# Altium PCB LAY-94611_B.PcbDoc (part 14 of 16)
Units mil, origin at the board's own origin, x right, y up, seen from the top; angles counter-clockwise.
Board outline 4133.86 x 2559.05 mil, 10 copper layers (TOP, GND02, ART03, PWR04, PWR05, ART06, GND7, ART08, GND09, BOTTOM), stack 57.82 mil thick; 1104 components, 727 nets, 3774 pads, 1630 vias.
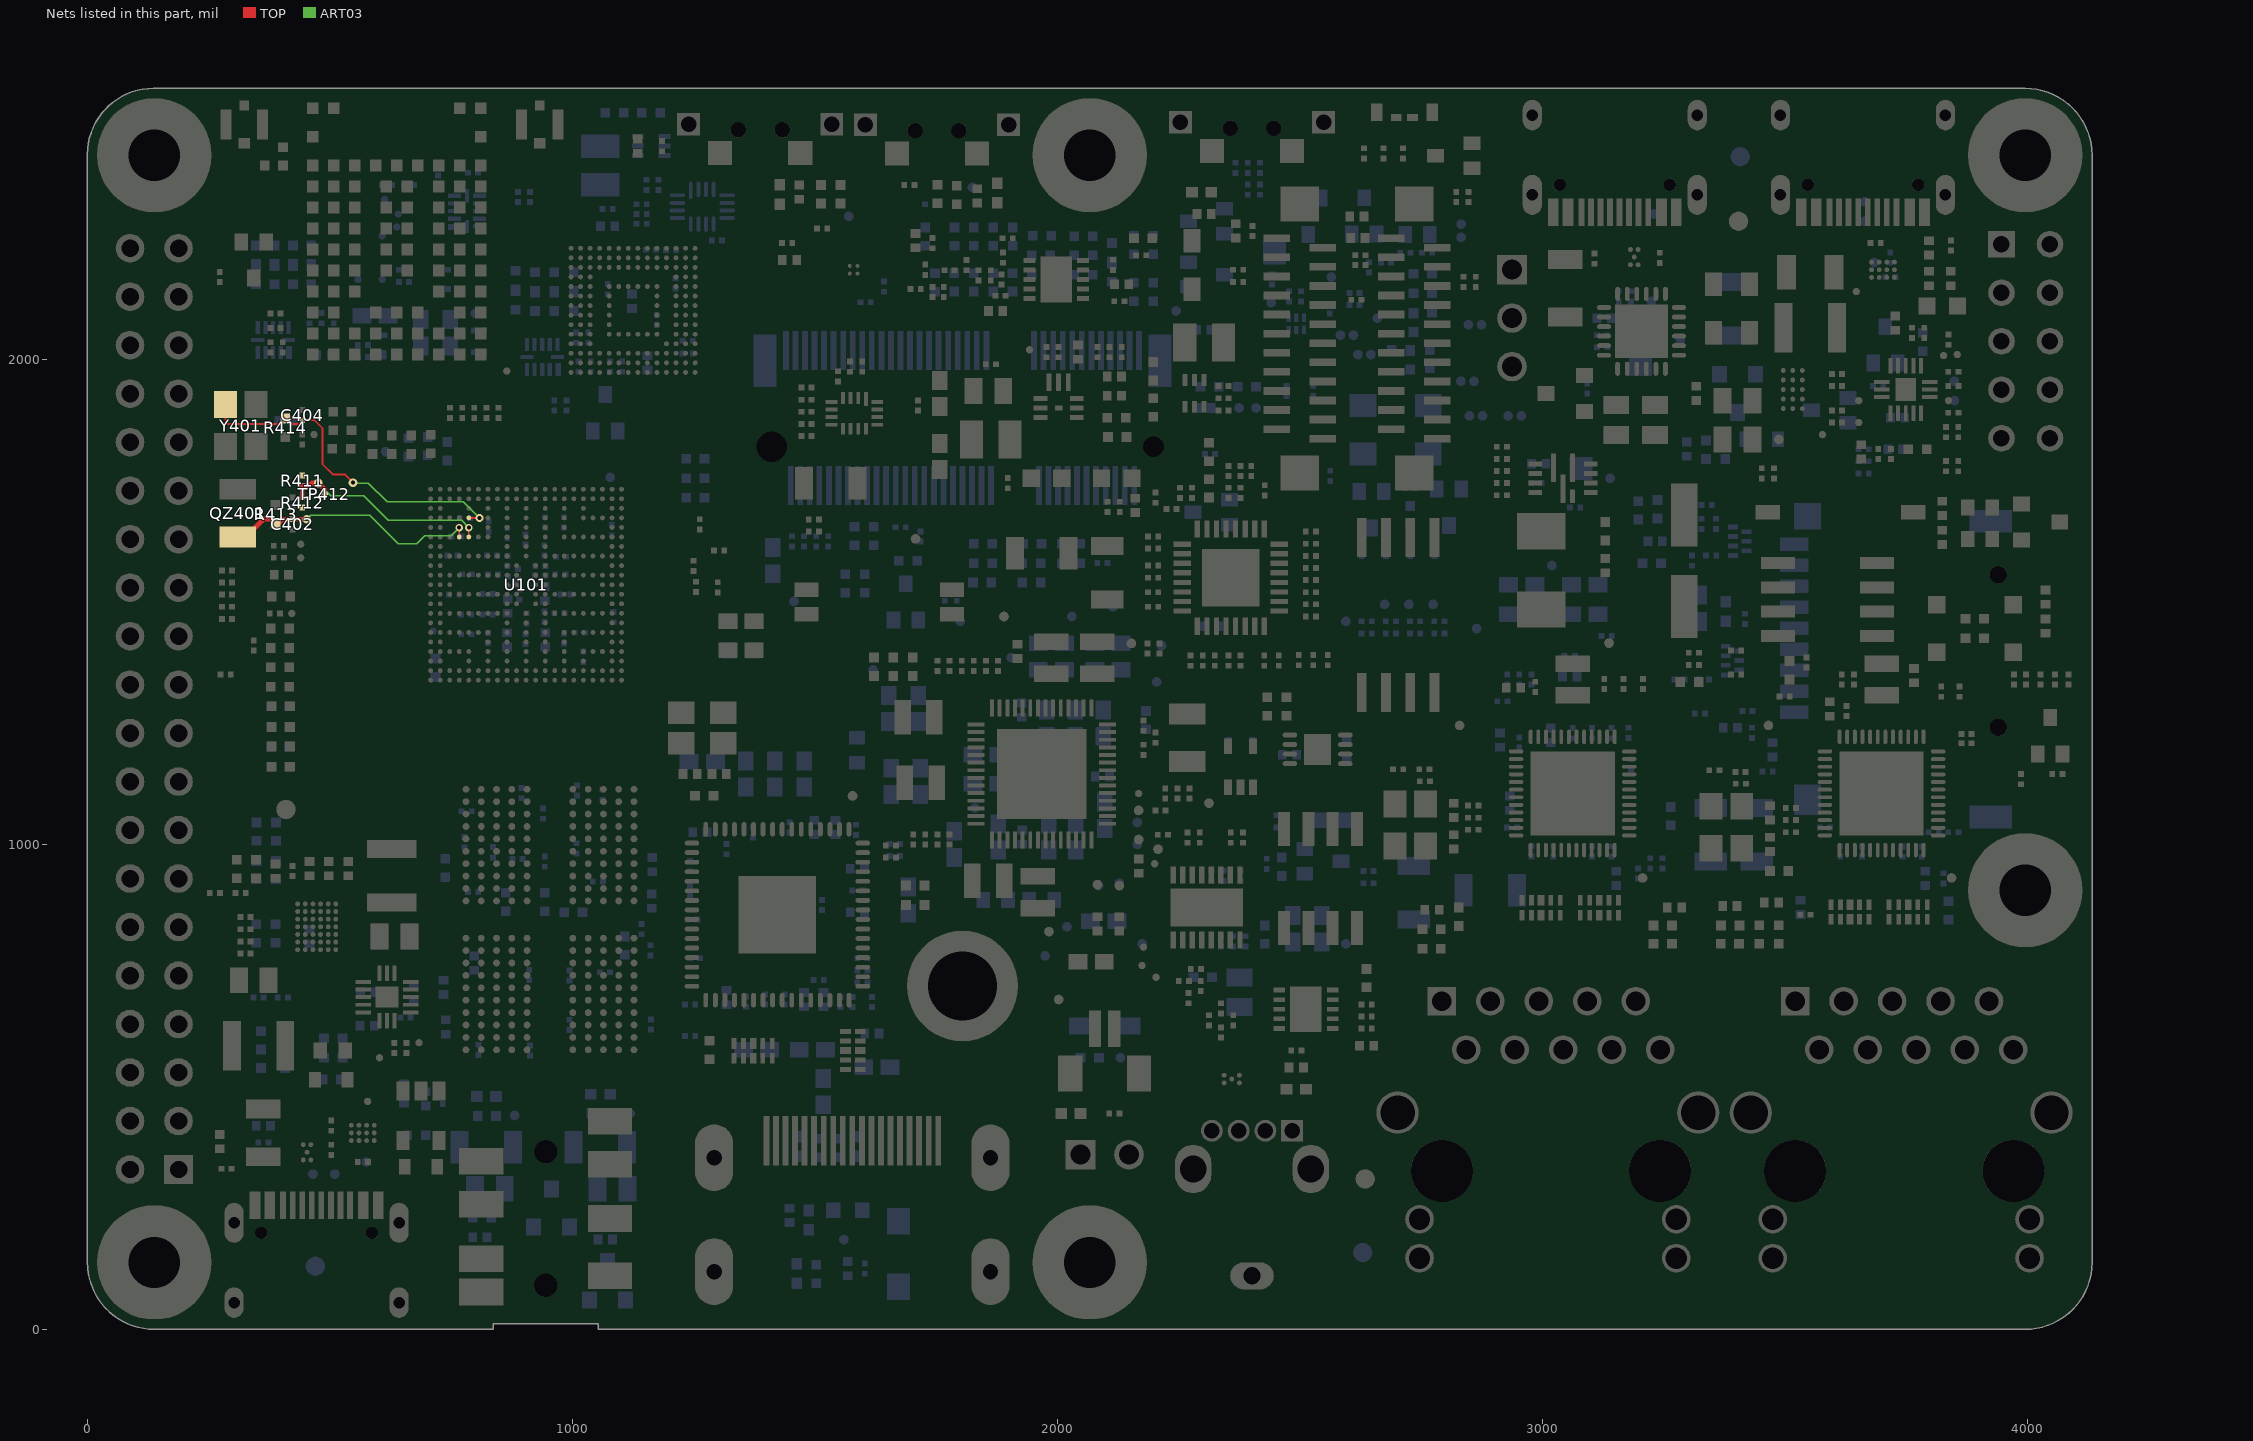
[diagram p22: the nets of this part, all layers, seen from the top]

## Via types
v1: diameter 16/16/0/0/0/0/16/0/16/16 (per signal layer), hole 8, TOP to BOTTOM, tented both sides, 177 vias
v2: diameter 22/22/0/0/0/0/22/0/22/22 (per signal layer), hole 10, TOP to BOTTOM, tented both sides, 156 vias
v3: diameter 16/0/16/0/0/0/0/0/0/16 (per signal layer), hole 8, TOP to BOTTOM, tented both sides, 137 vias
v4: diameter 16/0/0/0/0/16/0/0/0/16 (per signal layer), hole 8, TOP to BOTTOM, tented both sides, 94 vias
v5: diameter 16, hole 8, TOP to BOTTOM, tented both sides, 88 vias
v6: diameter 18/0/0/0/0/0/0/18/0/18 (per signal layer), hole 8, TOP to BOTTOM, tented both sides, 84 vias
v7: diameter 22, hole 10, TOP to BOTTOM, tented both sides, 83 vias
v8: diameter 18, hole 8.1, TOP to BOTTOM, tented both sides, 78 vias
v9: diameter 16/0/0/0/0/0/0/16/0/16 (per signal layer), hole 8, TOP to BOTTOM, tented both sides, 77 vias
v10: diameter 18/18/0/0/0/0/18/0/18/18 (per signal layer), hole 8, TOP to BOTTOM, tented both sides, 62 vias
v11: diameter 18/0/18/0/0/0/0/0/0/18 (per signal layer), hole 8, TOP to BOTTOM, tented both sides, 50 vias
v12: diameter 16/0/0/16/0/0/0/0/0/16 (per signal layer), hole 8, TOP to BOTTOM, tented both sides, 49 vias
v13: diameter 22/0/0/0/22/0/0/0/0/22 (per signal layer), hole 10, TOP to BOTTOM, tented both sides, 49 vias
v14: diameter 22/0/22/0/0/0/0/0/0/22 (per signal layer), hole 10, TOP to BOTTOM, tented both sides, 48 vias
v15: diameter 18, hole 8, TOP to BOTTOM, tented both sides, 47 vias
v16: diameter 16/0/0/0/16/0/0/0/0/16 (per signal layer), hole 8, TOP to BOTTOM, tented both sides, 40 vias
v17: diameter 22/0/0/22/0/0/0/0/0/22 (per signal layer), hole 10, TOP to BOTTOM, tented both sides, 40 vias
v18: diameter 22/0/0/0/0/0/0/22/0/22 (per signal layer), hole 10, TOP to BOTTOM, tented both sides, 31 vias
v19: diameter 22/0/0/0/0/22/0/0/0/22 (per signal layer), hole 10, TOP to BOTTOM, tented both sides, 30 vias
v20: diameter 18/0/0/0/0/18/0/0/0/18 (per signal layer), hole 8, TOP to BOTTOM, tented both sides, 27 vias
v21: diameter 16/16/16/0/0/0/0/0/0/16 (per signal layer), hole 8, TOP to BOTTOM, tented both sides, 24 vias
v22: diameter 16/0/16/0/0/16/0/0/0/16 (per signal layer), hole 8, TOP to BOTTOM, tented both sides, 14 vias
v23: diameter 22/22/0/22/0/0/22/0/22/22 (per signal layer), hole 10, TOP to BOTTOM, tented both sides, 14 vias
v24: diameter 16/16/16/0/0/0/16/0/16/16 (per signal layer), hole 8, TOP to BOTTOM, tented both sides, 11 vias
v25: diameter 18/0/0/0/0/18/0/18/0/18 (per signal layer), hole 8, TOP to BOTTOM, tented both sides, 11 vias
v26: diameter 18/0/0/18/0/0/0/0/0/18 (per signal layer), hole 8, TOP to BOTTOM, tented both sides, 11 vias
v27: diameter 18/0/0/0/18/0/0/0/0/18 (per signal layer), hole 8, TOP to BOTTOM, tented both sides, 10 vias
v28: diameter 16/0/16/0/0/0/0/16/0/16 (per signal layer), hole 8, TOP to BOTTOM, tented both sides, 8 vias
v29: diameter 16/16/0/16/0/0/16/0/16/16 (per signal layer), hole 8, TOP to BOTTOM, tented both sides, 8 vias
v30: diameter 18/18/0/18/0/0/18/0/18/18 (per signal layer), hole 8, TOP to BOTTOM, tented both sides, 6 vias
v31: diameter 22/0/0/0/22/22/0/0/0/22 (per signal layer), hole 10, TOP to BOTTOM, tented both sides, 6 vias
v32: diameter 16/0/16/16/0/0/0/0/0/16 (per signal layer), hole 8, TOP to BOTTOM, tented both sides, 5 vias
v33: diameter 18/18/0/18/18/0/18/0/18/18 (per signal layer), hole 8, TOP to BOTTOM, tented both sides, 5 vias
v34: diameter 16/0/0/0/0/16/0/16/0/16 (per signal layer), hole 8, TOP to BOTTOM, tented both sides, 4 vias
v35: diameter 22/0/22/22/0/0/0/0/0/22 (per signal layer), hole 10, TOP to BOTTOM, tented both sides, 4 vias
v36: diameter 16/0/16/16/0/16/0/0/0/16 (per signal layer), hole 8, TOP to BOTTOM, tented both sides, 3 vias
v37: diameter 22/22/0/0/22/0/22/0/22/22 (per signal layer), hole 10, TOP to BOTTOM, tented both sides, 3 vias
v38: diameter 22/0/0/22/22/22/0/0/0/22 (per signal layer), hole 10, TOP to BOTTOM, tented both sides, 3 vias
v39: diameter 22/0/22/0/0/22/0/0/0/22 (per signal layer), hole 10, TOP to BOTTOM, tented both sides, 3 vias
v40: diameter 22/0/22/0/0/0/0/22/0/22 (per signal layer), hole 10, TOP to BOTTOM, tented both sides, 3 vias
v41: diameter 16/0/16/0/16/0/0/0/0/16 (per signal layer), hole 8, TOP to BOTTOM, tented both sides, 3 vias
v42: diameter 22/22/0/22/22/0/22/0/22/22 (per signal layer), hole 10, TOP to BOTTOM, tented both sides, 2 vias
v43: diameter 18/0/18/0/0/0/0/18/0/18 (per signal layer), hole 8, TOP to BOTTOM, tented both sides, 2 vias
v44: diameter 22/0/0/22/0/22/0/0/0/22 (per signal layer), hole 10, TOP to BOTTOM, tented both sides, 2 vias
v45: diameter 22/0/0/0/0/22/0/22/0/22 (per signal layer), hole 10, TOP to BOTTOM, tented both sides, 2 vias
v46: diameter 22/0/22/0/22/0/0/0/0/22 (per signal layer), hole 10, TOP to BOTTOM, tented both sides, 2 vias
v47: diameter 22/0/0/22/22/0/0/0/0/22 (per signal layer), hole 10, TOP to BOTTOM, tented both sides, 2 vias
v48: diameter 16/0/0/16/0/16/0/0/0/16 (per signal layer), hole 8, TOP to BOTTOM, tented both sides, 1 vias
v49: diameter 18/0/18/0/0/18/0/0/0/18 (per signal layer), hole 8, TOP to BOTTOM, tented both sides, 1 vias
v50: diameter 18/18/0/0/18/0/18/0/18/18 (per signal layer), hole 8, TOP to BOTTOM, tented both sides, 1 vias
v51: diameter 16/16/0/16/16/0/16/0/16/16 (per signal layer), hole 8, TOP to BOTTOM, tented both sides, 1 vias
v52: diameter 18/0/18/0/18/0/0/0/0/18 (per signal layer), hole 8, TOP to BOTTOM, tented both sides, 1 vias
v53: diameter 18/0/0/0/18/18/0/0/0/18 (per signal layer), hole 8, TOP to BOTTOM, tented both sides, 1 vias
v54: diameter 22/0/22/0/22/22/0/22/0/22 (per signal layer), hole 10, TOP to BOTTOM, tented both sides, 1 vias
v55: diameter 22/0/0/0/22/22/0/22/0/22 (per signal layer), hole 10, TOP to BOTTOM, tented both sides, 1 vias
v56: diameter 16/16/16/0/0/0/16/0/0/16 (per signal layer), hole 8, TOP to BOTTOM, tented both sides, 1 vias
v57: diameter 22/0/0/22/0/0/0/22/0/22 (per signal layer), hole 10, TOP to BOTTOM, tented both sides, 1 vias
v58: diameter 16/0/0/0/16/16/0/0/0/16 (per signal layer), hole 8, TOP to BOTTOM, tented both sides, 1 vias
v59: diameter 16/0/0/16/16/0/0/0/0/16 (per signal layer), hole 8, TOP to BOTTOM, tented both sides, 1 vias

## Nets (pads, with @x,y where several pads share a name; then routed paths per layer and width w, separated by ;. In a path a pad name is that pad's centre, name@x,y a point inside that pad or via, vN(x,y) a via of type N, cw(c..) or ccw(c..) an arc to the next point about the centre after c; other vN are vias at no path point) (continued)
XTALI_32K: R411.2 R412.1 TP412.1 U101.E16 | length 455.6
  TOP w3.62: U101.E16@786.49,1633.92 v3(786.49,1653.16)
  TOP w10: 442.8,1715.51 442.8,1739.49 457.28,1739.49 462.79,1745 v11(475.8,1745) 488.8,1732 TP412.1@488.8,1722
  ART03 w3.09: v11(475.8,1745) 502.2,1718.6 570.2,1718.6 620.8,1668 771.65,1668 v3(786.49,1653.16)
XTALO_24M: C404.1 R414.2 U101.E18 Y401.3 | length 722.3
  TOP w3.62: Y401.3@284.51,1906.97 284.51,1871.01 288.52,1867 396.56,1867 R414.2@407.76,1878.2 418.96,1867 435.31,1867 C404.1@442.8,1874.49 468.31,1874.49 484.8,1858 484.8,1784 505.8,1763 530.8,1763 v11(547.8,1746) ; U101.E18@786.49,1673.29 v3(808.31,1673.29)
  ART03 w3.09: v11(547.8,1746) 548.8,1745 579.4,1745 617.9,1706.5 775.1,1706.5 v3(808.31,1673.29)
XTALO_32K: C402.1 QZ401.1 R413.2 U101.D16 | length 541.1
  TOP w3.62: v3(766.49,1653.16) 766.8,1652.85 U101.D16@766.8,1633.92
  TOP w10: QZ401.1@309.56,1633.87 326.67,1633.87 364.14,1671.34 378.3,1671.34 R413.2@387.84,1661.8 394.61,1661.8 403.32,1670.51 C402.1@422.8,1670.51 v11(452.31,1670.51)
  ART03 w3.09: v11(452.31,1670.51) 460.8,1679 581.8,1679 640.8,1620 678.8,1620 695.53,1636.73 750.06,1636.73 v3(766.49,1653.16)
pads on no net: D616.3 D616.4 D616.6 D617.3 D617.6 K1. K2. K3. P1.A6 P1.A7 P1.A8 P1.B6 P1.B7 P1.B8 P1.H1 P1.H2 P2.A8 P2.B8 P2.H1 P2.H2 P3.2 P3.M1 P3.M2 P4.2 P4.M1 P4.M2 P5.13 P5.14 P6.11 P6.12 P6.14 P6.15 P8. P8.35 P8.37 P8.41 P8.43 P8.44 P8.46 P8.47 P8.48 P8.49 P8.53 P8.59 P8.61 P8.65 P8.66 P8.67 P8.68 P8.70 P8.71 P8.73 P13. P15. P15.4 P15.6 P15.7 P15.8 P16.A8 P16.B8 P16.H1 P16.H2 P17. P18. U101.A12 U101.A13 U101.B12 U101.B13 U201.A1 U201.A2 U201.A11 U201.A12 U201.AA1 U201.AA2 U201.AA4 U201.AA9 U201.AA11 U201.AA12 U201.AB1 U201.AB2 U201.AB11 U201.AB12 U201.B1 U201.B12 U201.K5 U201.K8 U201.N5 U201.N8 U201.P2 U201.P4 U201.P5 U201.P8 U201.P9 U201.P11 U201.R2 U201.R3 U201.R4 U201.R9 U201.R10 U201.R11 U201.T2 U201.U2 U201.U4 U201.U9 U201.U11 U201.V2 U201.V3 U201.V4 U201.V9 U201.V10 U201.V11 U201.W3 U201.W10 U201.Y2 U201.Y3 U201.Y4 U201.Y9 U201.Y10 U201.Y11 U501.A1 U501.A2 U501.A7 U501.A8 U501.A9 U501.A10 U501.A11 U501.A12 U501.A13 U501.A14 U501.B1 U501.B7 U501.B8 U501.B9 U501.B10 U501.B11 U501.B12 U501.B13 U501.B14 U501.C1 U501.C3 U501.C5 U501.C7 U501.C8 U501.C9 U501.C10 U501.C11 U501.C12 U501.C13 U501.C14 U501.D1 U501.D2 U501.D3 U501.D4 U501.D12 U501.D13 U501.D14 U501.E1 U501.E2 U501.E3 U501.E5 U501.E8 U501.E9 U501.E10 U501.E12 U501.E13 U501.E14 U501.F1 U501.F2 U501.F3 U501.F10 U501.F12 U501.F13 U501.F14 U501.G1 U501.G2 U501.G3 U501.G10 U501.G12 U501.G13 U501.G14 U501.H1 U501.H2 U501.H3 U501.H12 U501.H13 U501.H14 U501.J1 U501.J2 U501.J3 U501.J12 U501.J13 U501.J14 U501.K1 U501.K2 U501.K3 U501.K5 U501.K6 U501.K7 U501.K10 U501.K12 U501.K13 U501.K14 U501.L1 U501.L2 U501.L3 U501.L12 U501.L13 U501.L14 U501.M1 U501.M2 U501.M3 U501.M7 U501.M8 U501.M9 U501.M10 U501.M11 U501.M12 U501.M13 U501.M14 U501.N1 U501.N3 U501.N6 U501.N7 U501.N8 U501.N9 U501.N10 U501.N11 U501.N12 U501.N13 U501.N14 U501.P1 U501.P2 U501.P7 U501.P8 U501.P9 U501.P10 U501.P11 U501.P12 U501.P13 U501.P14 U702.4 U706.D1 U706.D2 U709.D1 U709.D2 U713. U713.33 U713.38 U713.39 U713.40 U713.41 U713.42 U713.43 U713.44 U716. U716.33 U716.38 U716.39 U716.40 U716.41 U716.42 U716.43 U716.44 U719.6 U719.7 U719.8 U719.9 U719.12 U719.13 U719.30 U719.31 U719.37 U719.38 U719.39 U719.40 U719.42 U719.43 U719.45 U719.46 U719.47 U719.48 U731.B6 U731.B9 U731.C1 U731.C4 U731.C5 U731.C6 U731.C9 U731.D1 U731.D9 U731.E1 U731.F1 U731.F3 U731.G1 U731.G3 U731.G4 U731.H1 U731.H2 U731.H3 U731.J1 U731.J2 U731.K5 U734.1 U734.9 U734.10 U734.11 U734.14 U734.15 U734.16 U734.17 U734.18 U734.19 U734.22 U734.23 U734.24 U743.1 U745.4 U745.8 U748.8 U748.9 U748.10 U748.11

## Polygon pours and split planes (outlines as drawn)
VDD_3V3 on ART03 "VDD_3V3_L03_P236" (solid, remove dead copper, pour order 236): 63 vertices, not listed, extent 727.8,95 2357.8,873
VLDO_3V3 on ART03 "VLDO_3V3_L03_P232" (solid, remove dead copper, pour order 232): 20 vertices, not listed, extent 2392.8,505 3357.8,950
GND on ART03 "GND_L03_P242" (solid, remove dead copper, pour order 242): 37 vertices, not listed, extent 229.8,2335 1005.21,2534.04
VDD_3V3 on ART03 "VDD_3V3_L03_P241" (solid, remove dead copper, pour order 241): 19 vertices, not listed, extent 1072.8,2068.56 1509.8,2222.44
DSI&CAM_3V3 on ART03 "DSI&CAM_3V3_L03_P240" (solid, remove dead copper, pour order 240): 22 vertices, not listed, extent 2233.8,2076 2693.8,2318
LPD4/X_VDDQ on ART03 "LPD4/X_VDDQ_L03_P239" (solid, remove dead copper, pour order 239): 21 vertices, not listed, extent 917.4,965 1130,1107
VDD_ANA_0V8 on ART03 "VDD_ANA_0V8_L03_P238" (solid, remove dead copper, pour order 238): 91 vertices, not listed, extent 798.36,905.56 2161,1643
IVDD_1V8 on ART03 "IVDD_1V8_L03_P237" (solid, remove dead copper, pour order 237): 27 vertices, not listed, extent 1225.8,617 1649.9,976
ENET1_DVDDL on ART03 "ENET1_DVDDL_L03_P235" (solid, remove dead copper, pour order 235): 2937.8,1200 2943.8,1206 3217.8,1206 3230.8,1193 3230.8,1166 3224.8,1160 3208.8,1160 3150.8,1102 2875.8,1102 2862.8,1115 2862.8,1135 2872.8,1145 2922.8,1145 2937.8,1160
VDD_3V3 on ART03 "VDD_3V3_L03_P234" (solid, remove dead copper, pour order 234): 33 vertices, not listed, extent 2832.8,1050 3427.9,1291
ENET1_AVDDL on ART03 "ENET1_AVDDL_L03_P233" (solid, remove dead copper, pour order 233): 17 vertices, not listed, extent 2812.8,919.5 3122.8,1027.44
VDD_5V on PWR04 "VDD_5V_L04_P248" (solid, remove dead copper, pour order 248): 37 vertices, not listed, extent 2442.8,52 4077.8,2300
GND on PWR04 "GND_L04_P247" (solid, remove dead copper, pour order 247): 56 vertices, not listed, extent 1992.8,1850 4082.8,2534.04
VEXP_5V on PWR04 "VEXP_5V_L04_P246" (solid, remove dead copper, pour order 246): 33 vertices, not listed, extent 56.3,283 1965.8,2372
LPD4/X_VDDQ on PWR04 "LPD4/X_VDDQ_L04_P245" (solid, remove dead copper, pour order 245): 45 vertices, not listed, extent 557.8,480 1987.8,1465
VSYS_5V on PWR04 "VSYS_5V_L04_P244" (solid, remove dead copper, pour order 244): 41 vertices, not listed, extent 324.3,125 3207,1461
LPD4/X_VDD1 on PWR04 "LPD4/X_VDD1_L04_P243" (solid, remove dead copper, pour order 243): 81 vertices, not listed, extent 462.8,685 3428,2252
GND on PWR04 "GND_L04_P255" (solid, remove dead copper, pour order 255): 351.8,843 493.8,843 541.8,891 541.8,1217 577.8,1253 577.8,1382 569.8,1390 344.8,1390 333.8,1379 333.8,861
VBUS1_DET_3V3 on PWR04 "VBUS1_DET_3V3_L04_P254" (solid, remove dead copper, pour order 254): 19 vertices, not listed, extent 315.8,1406 813.8,1583
NVCC_BBSM_1V8 on PWR04 "NVCC_BBSM_1V8_L04_P253" (solid, remove dead copper, pour order 253): 23 vertices, not listed, extent 339.8,1493.02 835.8,1605
VBUS2_DET_3V3 on PWR04 "VBUS2_DET_3V3_L04_P252" (solid, remove dead copper, pour order 252): 23 vertices, not listed, extent 313.8,1530 792.8,1673
LPD4/X_VDD2 on PWR04 "LPD4/X_VDD2_L04_P251" (solid, remove dead copper, pour order 251): 21 vertices, not listed, extent 877.8,1117 1202.8,1470
VDD_ANA_1V8 on PWR04 "VDD_ANA_1V8_L04_P250" (solid, remove dead copper, pour order 250): 37 vertices, not listed, extent 725.8,1295 1287.78,1742.5
VLDO_3V3 on PWR04 "VLDO_3V3_L04_P249" (solid, remove dead copper, pour order 249): 19 vertices, not listed, extent 3252.8,800 3682.8,2050
LPD4/X_VDD2 on PWR05 "LPD4/X_VDD2_L05_P262" (solid, remove dead copper, pour order 262): 17 vertices, not listed, extent 727.8,545 2057,1230
VBUS_IN on PWR05 "VBUS_IN_L05_P261" (solid, remove dead copper, pour order 261): 31 vertices, not listed, extent 373.8,55 3445,1788
VEXP_3V3 on PWR05 "VEXP_3V3_L05_P260" (solid, remove dead copper, pour order 260): 27 vertices, not listed, extent 132.8,265 1715,2372
VPCIE_3V3 on PWR05 "VPCIE_3V3_L05_P259" (solid, remove dead copper, pour order 259): 55 vertices, not listed, extent 477.8,1617 2282.8,2515
VDD_5V on PWR05 "VDD_5V_L05_P258" (solid, remove dead copper, pour order 258): 48 vertices, not listed, extent 1917.8,1855 4087.8,2517
VDD_3V3 on PWR05 "VDD_3V3_L05_P257" (solid, remove dead copper, pour order 257): 109 vertices, not listed, extent 313.8,612.5 3997,2267
GND on PWR05 "GND_L05_P263" (solid, remove dead copper, pour order 263): 717.8,900 702.8,885 397.8,885 382.8,900 382.8,1280 422.8,1320 640,1320 717.8,1242.2
VDD_SOC_0V8 on PWR05 "VDD_SOC_0V8_L05_P256" (solid, remove dead copper, pour order 256): 27 vertices, not listed, extent 725,960 1755,1601
LPD4/X_VDD1 on ART06 "LPD4/X_VDD1_L06_P268" (solid, remove dead copper, pour order 268): 31 vertices, not listed, extent 3360,810 4074.78,1340
VDD_5V on ART06 "VDD_5V_L06_P266" (solid, remove dead copper, pour order 266): 17 vertices, not listed, extent 3225,1360.02 4087.8,2292
USBC_VBUS_F on ART06 "USBC_VBUS_F_L06_P264" (solid, remove dead copper, pour order 264): 93 vertices, not listed, extent 431.37,93 3349.8,2219
ENET2_DVDDL on ART06 "ENET2_DVDDL_L06_P269" (solid, remove dead copper, pour order 269): 23 vertices, not listed, extent 3487.8,765 3885.8,1205
VDD_3V3 on ART06 "VDD_3V3_L06_P267" (solid, remove dead copper, pour order 267): 34 vertices, not listed, extent 3166.3,715 3870,1350
NetF3_1 on ART06 "NETF3_1_L06_P265" (solid, remove dead copper, pour order 265): 3174.8,2239 3303.8,2239 3308.8,2244 3308.8,2276 3272.8,2312 3023.8,2312 3007.8,2296 3007.8,2236 3014.8,2229 3164.8,2229
VDD_3V3 on ART08 "VDD_3V3_L08_P274" (solid, remove dead copper, pour order 274): 27 vertices, not listed, extent 3275,1219 4026,1512
ENET2_DVDDL on ART08 "ENET2_DVDDL_L08_P273" (solid, remove dead copper, pour order 273): 3937.8,1415 3785,1415 3765,1395 3765,1200 3800,1165 3878,1165 3883,1170 3883,1225 3868,1240 3868,1358 3880,1370 3939,1370 3951,1382 3951,1401.8
VLDO_3V3 on ART08 "VLDO_3V3_L08_P272" (solid, remove dead copper, pour order 272): 19 vertices, not listed, extent 2073.8,540 2497.8,945
HDMI_5V on ART08 "HDMI_5V_L08_P271" (solid, remove dead copper, pour order 271): 1653.8,487 1658.8,482 1658.8,238 1650.8,230 1400.8,230 1391.8,239 1391.8,295 1399.3,302.5 1417.3,302.5 1444.8,275 1554.8,275 1590.8,311 1590.8,479 1598.8,487 1653.8,487
GND on BOTTOM "GND_L10_P357" (solid, remove dead copper, pour order 357): 2947.8,1565 2885.8,1565 2876.8,1556 2876.8,1463.2 2885,1455 2943.8,1455 2948.8,1460 2948.8,1564
VSYS_5V on BOTTOM "VSYS_5V_L10_P356" (solid, remove dead copper, pour order 356): 3077.8,1555 2967.8,1555 2964.82,1552.02 2964.82,1447.02 2947.8,1430 2947.8,1420 2947.81,1420 2952.79,1415.02 3097.81,1415.02 3102.79,1420 3102.8,1420 3102.8,1430 3080.78,1452.02 3080.78,1552.02
GND on BOTTOM "GND_L10_P355" (solid, remove dead copper, pour order 355): 3102.8,1560 3167.8,1560 3172.8,1555 3172.8,1460 3167.8,1455 3102.8,1455 3097.8,1460 3097.8,1555
GND on BOTTOM "GND_L10_P354" (solid, remove dead copper, pour order 354): 3081.8,1404 3081.8,1375 3078.8,1372 3067.8,1372 3063.3,1367.5 3063.3,1333.5 3065.8,1331 3090.8,1331 3110.8,1351 3178.8,1351 3180.8,1353 3180.8,1402 3176.8,1406 3083.8,1406
ENET1_DVDDL on BOTTOM "ENET1_DVDDL_L10_P353" (solid, remove dead copper, pour order 353): 3001.8,1402 2994.8,1395 2994.8,1338 2999.3,1333.5 3049.3,1333.5 3050.8,1335 3050.8,1364 3043.8,1371 3034.8,1371 3031.8,1374 3031.8,1398 3027.8,1402
GND on BOTTOM "GND_L10_P352" (solid, remove dead copper, pour order 352): 2575.8,1070 2632.8,1070 2662.8,1040 2662.8,966.01 2656.81,960.02 2640.78,960.02 2627.8,973 2627.8,1010 2612.8,1025 2572.8,1025 2569.8,1028 2569.82,1028.02 2569.82,1064.02
VSYS_5V on BOTTOM "VSYS_5V_L10_P351" (solid, remove dead copper, pour order 351): 2495.8,1103.98 2495.8,1030 2500.8,1025 2548.8,1025 2555.8,1032 2555.8,1069 2579.8,1093 2579.8,1103.98
NetC838_2 on BOTTOM "NETC838_2_L10_P350" (solid, remove dead copper, pour order 350): 19 vertices, not listed, extent 2415.8,964 2479.3,1070
VDD_5V on BOTTOM "VDD_5V_L10_P349" (solid, remove dead copper, pour order 349): 2312.8,1915 2308.55,1910.75 2308.55,1880.75 2297.8,1870 2297.8,1860 2302.8,1855 2338.52,1855 2350.98,1867.46 2350.98,1873.02 2335,1889 2335,1910 2330,1915
VPCIE_3V3 on BOTTOM "VPCIE_3V3_L10_P347" (solid, remove dead copper, pour order 347): 23 vertices, not listed, extent 1378.8,1592 1475.84,1782
VDD_3V3 on BOTTOM "VDD_3V3_L10_P345" (solid, remove dead copper, pour order 345): 1999.8,1485 1999.8,1452 1980.8,1433 1980.8,1343 1977.8,1340 1940,1340 1935,1345 1935,1393.8 1918.8,1410 1918.8,1493.8 1925,1500 1984.8,1500
GND on BOTTOM "GND_L10_P344" (solid, remove dead copper, pour order 344): 2034.8,1338 2042,1345.2 2042,1460.2 2069.8,1488 2069.8,1518 2060.8,1527 2003.8,1527 1994.8,1518 1994.8,1510 2010.8,1494 2010.8,1448 1993.8,1431 1993.8,1342 1997.8,1338
LPD4/X_VDD1 on BOTTOM "LPD4/X_VDD1_L10_P343" (solid, remove dead copper, pour order 343): 2110.96,1515 2052.8,1456.84 2052.8,1345 2057.8,1340 2094.8,1340 2097,1342.2 2097,1433.2 2104.4,1440.6 2137.6,1440.6 2146,1449 2146,1504 2135,1515
VSYS_5V on BOTTOM "VSYS_5V_L10_P342" (solid, remove dead copper, pour order 342): 2017.8,1324 2087.8,1324 2114.8,1297 2114.8,1258 2112.8,1256 1962.8,1256 1960.8,1258 1960.8,1297 1964.8,1301 1994.8,1301
GND on BOTTOM "GND_L10_P341" (solid, remove dead copper, pour order 341): 2242.8,1448 2260.8,1430 2260.8,1370 2255.8,1365 2165,1365 2140,1340 2117,1340 2113,1344 2113,1401.84 2144.16,1433 2174.8,1433 2189.8,1448
GND on BOTTOM "GND_L10_P339" (solid, remove dead copper, pour order 339): 17 vertices, not listed, extent 3197.8,1390 3388.58,1540
VDD_3V3 on BOTTOM "VDD_3V3_L10_P338" (solid, remove dead copper, pour order 338): 20 vertices, not listed, extent 3795.8,1995 4012.8,2281
GND on BOTTOM "GND_L10_P336" (solid, remove dead copper, pour order 336): 3337.8,2210 3437.8,2210 3447.8,2200 3447.8,2150 3437.8,2140 3337.8,2140 3332.8,2145 3332.8,2205
NetC849_1 on BOTTOM "NETC849_1_L10_P335" (solid, remove dead copper, pour order 335): 3457.8,2065 3457.8,1955 3452.8,1950 3412.8,1950 3407.8,1955 3407.8,1995 3402.8,2000 3337.8,2000 3332.8,2005 3332.8,2065 3337.8,2070 3452.8,2070

## Text inside footprints (layer, text, board x,y; h text height)
C1026: Top Pin Number "1" at 3596.64,1293.59 h10 r90; Top Pin Number "2" at 3596.64,1259.78 h10 r90
C1027: Top Pin Number "1" at 2652.14,581.16 h10; Top Pin Number "2" at 2618.33,581.16 h10
C1028: Top Pin Number "1" at 2622.51,614.58 h10; Top Pin Number "2" at 2646.75,614.58 h10
C1029: Top Pin Number "1" at 2507.14,536.16 h10; Top Pin Number "2" at 2473.33,536.16 h10
C1030: Top Pin Number "1" at 2477.51,569.58 h10; Top Pin Number "2" at 2501.75,569.58 h10
C1031: Top Pin Number "1" at 2622.51,639.58 h10; Top Pin Number "2" at 2646.75,639.58 h10
C1032: Top Pin Number "1" at 2343.22,646.71 h10 r90; Top Pin Number "2" at 2343.22,670.95 h10 r90
C1033: Bottom Pin Number "2" at 2367.21,654.16 h20 r270; Bottom Pin Number "1" at 2367.21,724.15 h20 r270
C1034: Bottom Pin Number "1" at 2368.22,815.29 h10 r90; Bottom Pin Number "2" at 2368.22,791.05 h10 r90
C1035: Bottom Pin Number "1" at 2393.22,815.29 h10 r90; Bottom Pin Number "2" at 2393.22,791.05 h10 r90
C1036: Bottom Pin Number "1" at 2343.22,815.29 h10 r90; Bottom Pin Number "2" at 2343.22,791.05 h10 r90
C1037: Top Pin Number "1" at 2133.09,450.42 h10 r180; Top Pin Number "2" at 2108.85,450.42 h10 r180
C1038: Bottom Pin Number "1" at 2347.38,1189.71 h10 r270; Bottom Pin Number "2" at 2347.38,1213.95 h10 r270
C1041: Bottom Pin Number "1" at 893.22,2350.29 h10 r90; Bottom Pin Number "2" at 893.22,2326.05 h10 r90
C1042: Bottom Pin Number "1" at 918.22,2350.29 h10 r90; Bottom Pin Number "2" at 918.22,2326.05 h10 r90
C1043: Bottom Pin Number "1" at 728.22,2405.29 h10 r90; Bottom Pin Number "2" at 728.22,2381.05 h10 r90
C1044: Bottom Pin Number "1" at 1158.09,2314.58 h10; Bottom Pin Number "2" at 1133.85,2314.58 h10
C1045: Bottom Pin Number "1" at 2387.38,2379.71 h10 r270; Bottom Pin Number "2" at 2387.38,2403.95 h10 r270
C1047: Bottom Pin Number "1" at 1158.09,2294.58 h10; Bottom Pin Number "2" at 1133.85,2294.58 h10
C1048: Bottom Pin Number "2" at 2725.3,955.12 h15 r270; Bottom Pin Number "1" at 2725.3,844.88 h15 r270
C1049: Bottom Pin Number "2" at 3337.8,1075.12 h15 r270; Bottom Pin Number "1" at 3337.8,964.88 h15 r270
D601: Top Pin Number "A" at 3867.5,2118 h20 r180; Top Pin Number "C" at 3804.5,2118 h20 r180
D602: Top Pin Number "1" at 2322.8,2350 h15 r180; Top Pin Number "2" at 2282.8,2350 h15 r180
D603: Bottom Pin Number "C" at 3416.23,1828.8 h10; Bottom Pin Number "A" at 3489.61,1839.8 h10 r180
D604: Top Pin Number "2" at 1871,2328.2 h15 r270; Top Pin Number "1" at 1871,2368.2 h15 r270
D605: Top Pin Number "2" at 1422.8,2325 h15 r270; Top Pin Number "1" at 1422.8,2365 h15 r270
D608: Top Pin Number "A" at 465.99,519.8 h10 r180; Top Pin Number "C" at 539.37,508.8 h10
D609: Bottom Pin Number "2" at 1482.78,239.98 h15 r270; Bottom Pin Number "1" at 1482.78,199.98 h15 r270
D610: Bottom Pin Number "2" at 1592.82,361.82 h15 r90; Bottom Pin Number "1" at 1592.82,401.82 h15 r90
D611: Bottom Pin Number "2" at 1472.82,361.82 h15 r90; Bottom Pin Number "1" at 1472.82,401.82 h15 r90
D612: Bottom Pin Number "2" at 1467.82,100.02 h15 r90; Bottom Pin Number "1" at 1467.82,140.02 h15 r90
D613: Top Pin Number "C" at 2102.3,1763 h20 r180; Top Pin Number "A" at 2165.3,1763 h20 r180; Top Assembly "LED RED" at 2163.93,1762.5 h15 r180
D614: Top Pin Number "C" at 1998.3,1747 h20; Top Pin Number "A" at 1935.3,1747 h20; Top Assembly "LED RED" at 1936.67,1747.5 h15
D615: Bottom Pin Number "2" at 3383.45,1465.02 h15 r90; Bottom Pin Number "1" at 3383.45,1505.02 h15 r90
D616: Bottom Pin Number "2" at 3374.23,1372.97 h10 r180; Bottom Pin Number "4" at 3373.76,1412.33 h10 r180; Bottom Pin Number "1" at 3378.52,1353.28 h10 r180; Bottom Pin Number "5" at 3401.79,1402.48 h10 r180; Bottom Pin Number "7" at 3401.79,1363.12 h10 r180; Bottom Pin Number "6" at 3402.27,1382.81 h10 r180; Bottom Pin Number "3" at 3374.23,1392.64 h10 r180
D617: Bottom Pin Number "3" at 3389.23,1638.64 h10 r180; Bottom Pin Number "6" at 3417.27,1628.81 h10 r180; Bottom Pin Number "7" at 3416.79,1609.12 h10 r180; Bottom Pin Number "5" at 3416.79,1648.48 h10 r180; Bottom Pin Number "1" at 3393.52,1599.28 h10 r180; Bottom Pin Number "4" at 3388.76,1658.33 h10 r180; Bottom Pin Number "2" at 3389.23,1618.97 h10 r180
D618: Bottom Overlay "1" at 1150.8,44 h30; Bottom Overlay "2" at 1004.8,47 h30; Bottom Pin Number "2" at 1043.72,50.58 h20; Bottom Pin Number "3" at 1080.72,129.58 h20; Bottom Pin Number "1" at 1117.72,50.58 h20
D619: Bottom Pin Number "2" at 1042.8,480 h15; Bottom Pin Number "1" at 1082.8,480 h15
D620: Bottom Pin Number "2" at 807.6,475 h15; Bottom Pin Number "1" at 847.6,475 h15
D621: Bottom Overlay "1" at 1034.8,194 h30; Bottom Overlay "2" at 888.8,197 h30; Bottom Pin Number "2" at 927.72,200.58 h20; Bottom Pin Number "3" at 964.72,279.58 h20; Bottom Pin Number "1" at 1001.72,200.58 h20
D623: Top Overlay "1" at 3971.8,1743 h30 r270; Top Overlay "2" at 3974.8,1597 h30 r270; Top Pin Number "2" at 3978.38,1635.92 h20 r270; Top Pin Number "3" at 4057.38,1672.92 h20 r270; Top Pin Number "1" at 3978.38,1709.92 h20 r270
D624: Top Pin Number "A" at 650.99,340 h10 r180; Top Pin Number "C" at 724.37,329 h10
D626: Top Pin Number "2" at 2507.8,490 h15; Top Pin Number "1" at 2467.8,490 h15
D628: Top Pin Number "2" at 2012.8,450 h15 r180; Top Pin Number "1" at 2052.8,450 h15 r180
F1: Top Overlay "1" at 3652.8,2195 h30 r180; Top Pin Number "1" at 3607.01,2189 h20 r180; Top Pin Number "2" at 3508.59,2189 h20 r180; Top Assembly "1" at 3650,2185 h15 r180
F2: Top Overlay "1" at 377.8,305 h30 r90; Top Pin Number "2" at 371.8,449.21 h20 r90; Top Pin Number "1" at 371.8,350.79 h20 r90; Top Assembly "1" at 367.8,307.8 h15 r90
F3: Top Pin Number "2" at 3037.8,2087.94 h15 r270; Top Pin Number "1" at 3037.8,2206.06 h15 r270
F5: Bottom Pin Number "2" at 1542.8,237 h20; Bottom Pin Number "1" at 1602.8,237 h20
FB16: Bottom Pin Number "1" at 1380.8,1451 h20; Bottom Pin Number "2" at 1326.8,1451 h20
FB17: Bottom Pin Number "2" at 2922.8,1229.76 h15 r90; Bottom Pin Number "1" at 2922.8,1200.24 h15 r90
FB18: Bottom Pin Number "2" at 3162.8,944.76 h15 r90; Bottom Pin Number "1" at 3162.8,915.24 h15 r90
FB19: Bottom Pin Number "2" at 2922.8,1070.24 h15 r270; Bottom Pin Number "1" at 2922.8,1099.76 h15 r270
FB20: Bottom Pin Number "2" at 3373.28,1250.51 h15 r180; Bottom Pin Number "1" at 3402.8,1250.51 h15 r180
FB21: Bottom Pin Number "1" at 3799.8,915.24 h15 r90; Bottom Pin Number "2" at 3799.8,944.76 h15 r90
FB22: Bottom Pin Number "2" at 3542.8,884.76 h15 r90; Bottom Pin Number "1" at 3542.8,855.24 h15 r90
FB23: Bottom Pin Number "2" at 1606.8,531 h20; Bottom Pin Number "1" at 1660.8,531 h20
FB24: Bottom Pin Number "2" at 1701.8,864 h20 r90; Bottom Pin Number "1" at 1701.8,918 h20 r90
FB25: Bottom Pin Number "2" at 1358.8,567 h20; Bottom Pin Number "1" at 1412.8,567 h20
FB26: Bottom Pin Number "2" at 1246.8,1161 h20; Bottom Pin Number "1" at 1300.8,1161 h20
FB27: Bottom Pin Number "2" at 1348.8,1166 h20 r270; Bottom Pin Number "1" at 1348.8,1112 h20 r270
FB28: Bottom Pin Number "2" at 1468.8,1166 h20 r270; Bottom Pin Number "1" at 1468.8,1112 h20 r270
FB29: Bottom Pin Number "2" at 1526.8,469 h20 r90; Bottom Pin Number "1" at 1526.8,523 h20 r90
FB30: Bottom Pin Number "2" at 1408.8,1166 h20 r270; Bottom Pin Number "1" at 1408.8,1112 h20 r270
FB31: Bottom Pin Number "2" at 1515.8,585 h20 r180; Bottom Pin Number "1" at 1461.8,585 h20 r180
K1: Top Pin Number "4" at 2323.67,2437.93 h15 r180; Top Pin Number "2" at 2258.71,2496.97 h15 r180; Top Pin Number "1" at 2553.99,2496.97 h15 r180; Top Pin Number "3" at 2489.03,2437.93 h15 r180
K2: Top Pin Number "3" at 1839.43,2432.8 h15 r180; Top Pin Number "1" at 1904.39,2491.86 h15 r180; Top Pin Number "2" at 1609.11,2491.86 h15 r180; Top Pin Number "4" at 1674.07,2432.8 h15 r180
K3: Top Pin Number "3" at 1474.79,2433.99 h15 r180; Top Pin Number "1" at 1539.75,2493.03 h15 r180; Top Pin Number "2" at 1244.47,2493.03 h15 r180; Top Pin Number "4" at 1309.43,2433.99 h15 r180
L701: Top Overlay "1" at 1917.67,924.92 h15 r180
L702: Top Overlay "1" at 1778.67,1126.92 h15 r180
L703: Top Overlay "1" at 1773.67,1261.92 h15 r180
L704: Top Overlay "1" at 1987.72,1325.13 h15 r90
L705: Top Overlay "1" at 2082.72,1325.13 h15 r90
L706: Top Overlay "1" at 1959.88,960.87 h15 r270
L707: Top Pin Number "2" at 2989.8,1484.29 h20 r270; Top Pin Number "1" at 2989.8,1645.71 h20 r270
L708: Top Overlay "1" at 3062.72,1280.13 h15 r90
L709: Top Overlay "1" at 3699.72,1280.13 h15 r90
L710: Top Overlay "1" at 2379.9,2084.06 h15 r180
L711: Top Overlay "1" at 1939.9,1884.06 h15 r180
L712: Bottom Overlay "1" at 1008.74,2322.9 h15 r270
L713: Top Overlay "1" at 3805,1547 h30; Top Pin Number "1" at 3806.06,1489.21 h15; Top Pin Number "4" at 3806.06,1390.79 h15; Top Pin Number "2" at 3963.54,1489.21 h15; Top Pin Number "3" at 3963.54,1390.79 h15; Top Assembly "1" at 3775,1510 h15
LED1: Top Pin Number "1" at 2781.29,2516.77 h15 r180; Top Pin Number "3" at 2706.4,2505.94 h15 r180; Top Pin Number "2" at 2739.86,2505.94 h15 r180; Top Pin Number "4" at 2665.92,2516.77 h15 r180
P1: Top Pin Number "B5" at 3592.52,2303.34 h0.01 r180; Top Pin Number "A5" at 3710.63,2303.34 h0.01 r180; Top Pin Number "E2" at 3491.33,2339.36 h0.01 r180; Top Pin Number "E4" at 3491.33,2503.93 h0.01 r180; Top Pin Number "E1" at 3831.49,2339.36 h0.01 r180; Top Pin Number "E3" at 3831.49,2503.93 h0.01 r180; Top Pin Number "A1" at 3788.38,2303.34 h0.01 r180; Top Pin Number "B1" at 3534.44,2303.34 h0.01 r180; Top Pin Number "B12" at 3788.38,2303.34 h0.01 r180; Top Pin Number "A12" at 3534.44,2303.34 h0.01 r180; Top Pin Number "A9" at 3564.96,2303.34 h0.01 r180; Top Pin Number "B9" at 3757.87,2303.34 h0.01 r180; Top Pin Number "B4" at 3564.96,2303.34 h0.01 r180; Top Pin Number "A4" at 3757.87,2303.34 h0.01 r180; Top Pin Number "B8" at 3730.31,2303.34 h0.01 r180; Top Pin Number "A8" at 3612.2,2303.34 h0.01 r180; Top Pin Number "H2" at 3547.63,2360.23 h0.01 r180; Top Pin Number "H1" at 3775.19,2360.23 h0.01 r180; Top Pin Number "B6" at 3631.89,2303.34 h0.01 r180; Top Pin Number "A6" at 3671.26,2303.34 h0.01 r180; Top Pin Number "B7" at 3690.94,2303.34 h0.01 r180; Top Pin Number "A7" at 3651.57,2303.34 h0.01 r180
P2: Top Pin Number "A7" at 482.29,255.71 h0.01; Top Pin Number "B7" at 442.92,255.71 h0.01; Top Pin Number "A6" at 462.6,255.71 h0.01; Top Pin Number "B6" at 501.97,255.71 h0.01; Top Pin Number "H1" at 358.67,198.82 h0.01; Top Pin Number "H2" at 586.23,198.82 h0.01; Top Pin Number "A8" at 521.66,255.71 h0.01; Top Pin Number "B8" at 403.55,255.71 h0.01; Top Pin Number "A4" at 375.99,255.71 h0.01; Top Pin Number "B4" at 568.9,255.71 h0.01; Top Pin Number "B9" at 375.99,255.71 h0.01; Top Pin Number "A9" at 568.9,255.71 h0.01; Top Pin Number "A12" at 599.42,255.71 h0.01; Top Pin Number "B12" at 345.48,255.71 h0.01; Top Pin Number "B1" at 599.42,255.71 h0.01; Top Pin Number "A1" at 345.48,255.71 h0.01; Top Pin Number "E3" at 302.37,55.12 h0.01; Top Pin Number "E1" at 302.37,219.69 h0.01; Top Pin Number "E4" at 642.53,55.12 h0.01; Top Pin Number "E2" at 642.53,219.69 h0.01; Top Pin Number "A5" at 423.23,255.71 h0.01; Top Pin Number "B5" at 541.34,255.71 h0.01
P3: Top Pin Number "M1" at 3256.11,332.77 h15 r180; Top Pin Number "M2" at 2806.11,332.77 h15 r180; Top Pin Number "2" at 2866.11,582.77 h15 r180; Top Pin Number "1" at 2816.11,682.77 h15 r180; Top Pin Number "7" at 3116.11,682.77 h15 r180; Top Pin Number "8" at 3166.11,582.77 h15 r180; Top Pin Number "9" at 3216.11,682.77 h15 r180; Top Pin Number "10" at 3256.11,582.77 h15 r180; Top Pin Number "3" at 2916.11,682.77 h15 r180; Top Pin Number "4" at 2966.11,582.77 h15 r180; Top Pin Number "5" at 3016.11,682.77 h15 r180; Top Pin Number "6" at 3066.11,582.77 h15 r180; Top Pin Number "SH2" at 3324.85,452.85 h15 r180; Top Pin Number "SH1" at 2704.77,452.85 h15 r180; Top Pin Number "14" at 3289.58,152.85 h15 r180; Top Pin Number "13" at 3289.58,232.77 h15 r180; Top Pin Number "12" at 2760.05,152.85 h15 r180; Top Pin Number "11" at 2760.05,232.77 h15 r180
P4: Top Pin Number "11" at 3488.41,232.77 h15 r180; Top Pin Number "12" at 3488.41,152.85 h15 r180; Top Pin Number "13" at 4017.94,232.77 h15 r180; Top Pin Number "14" at 4017.94,152.85 h15 r180; Top Pin Number "SH1" at 3433.13,452.85 h15 r180; Top Pin Number "SH2" at 4053.21,452.85 h15 r180; Top Pin Number "6" at 3794.47,582.77 h15 r180; Top Pin Number "5" at 3744.47,682.77 h15 r180; Top Pin Number "4" at 3694.47,582.77 h15 r180; Top Pin Number "3" at 3644.47,682.77 h15 r180; Top Pin Number "10" at 3984.47,582.77 h15 r180; Top Pin Number "9" at 3944.47,682.77 h15 r180; Top Pin Number "8" at 3894.47,582.77 h15 r180; Top Pin Number "7" at 3844.47,682.77 h15 r180; Top Pin Number "1" at 3544.47,682.77 h15 r180; Top Pin Number "2" at 3594.47,582.77 h15 r180; Top Pin Number "M2" at 3534.47,332.77 h15 r180; Top Pin Number "M1" at 3984.47,332.77 h15 r180
P5: Top Pin Number "13" at 1507.24,400.74 h15 r270; Top Pin Number "14" at 1487.56,400.74 h15 r270; Top Pin Number "1" at 1753.46,400.74 h15 r270; Top Pin Number "15" at 1467.87,400.74 h15 r270; Top Pin Number "16" at 1448.19,400.74 h15 r270; Top Pin Number "19" at 1389.13,400.74 h15 r270; Top Pin Number "22" at 1307.3,124.74 h15 r180; Top Pin Number "23" at 1877.3,124.74 h15 r180; Top Pin Number "20" at 1307.3,359.74 h15 r180; Top Pin Number "17" at 1428.5,400.74 h15 r270; Top Pin Number "5" at 1674.72,400.74 h15 r270; Top Pin Number "11" at 1546.61,400.74 h15 r270; Top Pin Number "8" at 1615.67,400.74 h15 r270; Top Pin Number "21" at 1877.3,359.74 h15 r180; Top Pin Number "2" at 1733.78,400.74 h15 r270; Top Pin Number "3" at 1714.09,400.78 h15 r270; Top Pin Number "4" at 1694.41,400.74 h15 r270; Top Pin Number "6" at 1655.04,400.74 h15 r270; Top Pin Number "7" at 1635.35,400.74 h15 r270; Top Pin Number "9" at 1595.98,400.74 h15 r270; Top Pin Number "10" at 1566.3,400.74 h15 r270; Top Pin Number "12" at 1526.93,400.78 h15 r270; Top Pin Number "18" at 1408.82,400.74 h15 r270
P6: Top Overlay "2" at 2415.33,1846.34 h30 r90; Top Overlay "21" at 2623.78,2215 h30 r90; Top Pin Number "18" at 2444.76,2171.25 h10 r90; Top Pin Number "17" at 2539.24,2151.57 h10 r90; Top Pin Number "6" at 2448.76,1935.03 h10 r90; Top Pin Number "3" at 2543.24,1875.98 h10 r90; Top Pin Number "12" at 2444.76,2053.14 h10 r90; Top Pin Number "8" at 2448.76,1974.4 h10 r90; Top Pin Number "5" at 2543.24,1915.35 h10 r90; Top Pin Number "11" at 2539.24,2033.46 h10 r90; Top Pin Number "15" at 2539.24,2112.2 h10 r90; Top Pin Number "2" at 2448.76,1856.29 h10 r90; Top Pin Number "9" at 2543.24,1994.09 h10 r90; Top Pin Number "14" at 2444.76,2092.51 h10 r90; Top Pin Number "21" at 2539.24,2230.31 h10 r90; Top Pin Number "20" at 2444.76,2210.62 h10 r90; Top Pin Number "10" at 2444.76,2013.77 h10 r90; Top Pin Number "13" at 2539.24,2072.83 h10 r90; Top Pin Number "19" at 2539.24,2190.94 h10 r90; Top Pin Number "16" at 2444.76,2131.88 h10 r90; Top Pin Number "23" at 2492,2320.86 h10 r90; Top Pin Number "7" at 2543.24,1954.72 h10 r90; Top Pin Number "24" at 2492,1765.74 h10 r90; Top Pin Number "4" at 2448.76,1895.66 h10 r90; Top Pin Number "1" at 2543.24,1836.61 h10 r90; Top Pin Number "22" at 2444.76,2249.99 h10 r90
P7: Top Overlay "21" at 2860,2215 h30 r90; Top Overlay "2" at 2651.55,1846.34 h30 r90; Top Pin Number "22" at 2680.98,2249.99 h10 r90; Top Pin Number "1" at 2779.46,1836.61 h10 r90; Top Pin Number "4" at 2684.98,1895.66 h10 r90; Top Pin Number "24" at 2728.22,1765.74 h10 r90; Top Pin Number "7" at 2779.46,1954.72 h10 r90; Top Pin Number "23" at 2728.22,2320.86 h10 r90; Top Pin Number "16" at 2680.98,2131.88 h10 r90; Top Pin Number "19" at 2775.46,2190.94 h10 r90; Top Pin Number "13" at 2775.46,2072.83 h10 r90; Top Pin Number "10" at 2680.98,2013.77 h10 r90; Top Pin Number "20" at 2680.98,2210.62 h10 r90; Top Pin Number "21" at 2775.46,2230.31 h10 r90; Top Pin Number "14" at 2680.98,2092.51 h10 r90; Top Pin Number "9" at 2779.46,1994.09 h10 r90; Top Pin Number "2" at 2684.98,1856.29 h10 r90; Top Pin Number "15" at 2775.46,2112.2 h10 r90; Top Pin Number "11" at 2775.46,2033.46 h10 r90; Top Pin Number "5" at 2779.46,1915.35 h10 r90; Top Pin Number "8" at 2684.98,1974.4 h10 r90; Top Pin Number "12" at 2680.98,2053.14 h10 r90; Top Pin Number "3" at 2779.46,1875.98 h10 r90; Top Pin Number "6" at 2684.98,1935.03 h10 r90; Top Pin Number "17" at 2775.46,2151.57 h10 r90; Top Pin Number "18" at 2680.98,2171.25 h10 r90
P8: Bottom Overlay "32" at 1888.49,1650.57 h30; Bottom Overlay "22" at 1998.49,1650.57 h30; Bottom Overlay "33" at 1878.49,2080.57 h30; Bottom Overlay "23" at 1978.49,2080.57 h30; Bottom Overlay "2" at 2174.49,1652.13 h30; Bottom Overlay "74" at 1442,1652 h30; Bottom Overlay "75" at 1459.49,2082.13 h30; Bottom Overlay "1" at 2174.49,2082.13 h30; Bottom Pin Number "48" at 1696.49,1714.44 h20 r270; Bottom Pin Number "46" at 1716.66,1714.91 h20 r270; Bottom Pin Number "44" at 1735.39,1713.96 h20 r270; Bottom Pin Number "53" at 1647.28,1992.77 h20 r270; Bottom Pin Number "68" at 1500.17,1714.96 h20 r270; Bottom Pin Number "43" at 1745.71,1992.77 h20 r270; Bottom Pin Number "67" at 1510.02,1993.3 h20 r270; Bottom Pin Number "41" at 1769.68,1997.06 h20 r270; Bottom Pin Number "65" at 1529.7,1993.3 h20 r270; Bottom Pin Number "37" at 1804.76,1992.77 h20 r270; Bottom Pin Number "61" at 1573.35,1997.58 h20 r270; Bottom Pin Number "35" at 1824.45,1992.77 h20 r270; Bottom Pin Number "59" at 1588.71,1993.25 h20 r270; Bottom Pin Number "66" at 1520.33,1715.44 h20 r270; Bottom Pin Number "70" at 1479.96,1714.44 h20 r270; Bottom Pin Number "49" at 1687.13,1993.25 h20 r270; Bottom Pin Number "73" at 1450.43,1992.77 h20 r270; Bottom Pin Number "47" at 1706.34,1992.77 h20 r270; Bottom Pin Number "71" at 1474.41,1997.06 h20 r270; Bottom Pin Number "6" at 2111.26,1723.81 h20 r270; Bottom Pin Number "5" at 2120.62,2001.67 h20 r270; Bottom Pin Number "3" at 2140.31,2001.67 h20 r270; Bottom Pin Number "62" at 1559.23,1714.96 h20 r270; Bottom Pin Number "20" at 1972.09,1714.44 h20 r270; Bottom Pin Number "50" at 1676.81,1714.44 h20 r270; Bottom Pin Number "56" at 1618.23,1714.91 h20 r270; Bottom Pin Number "54" at 1636.97,1713.96 h20 r270; Bottom Pin Number "19" at 1983.98,1994.82 h20 r270; Bottom Pin Number "9" at 2081.73,2002.15 h20 r270; Bottom Pin Number "11" at 2066.53,1998.63 h20 r270; Bottom Pin Number "17" at 2003.19,1994.34 h20 r270; Bottom Pin Number "15" at 2022.88,1994.34 h20 r270; Bottom Pin Number "13" at 2042.56,1994.34 h20 r270; Bottom Pin Number "21" at 1966.53,1997.06 h20 r270; Bottom Pin Number "36" at 1815.09,1714.91 h20 r270; Bottom Pin Number "34" at 1833.82,1713.96 h20 r270; Bottom Pin Number "22" at 1952.4,1714.44 h20 r270; Bottom Pin Number "32" at 1853.98,1714.44 h20 r270; Bottom Pin Number "18" at 1993.34,1716.01 h20 r270; Bottom Pin Number "69" at 1490.8,1993.77 h20 r270; Bottom Pin Number "63" at 1549.39,1993.3 h20 r270; Bottom Pin Number "45" at 1726.02,1992.77 h20 r270; Bottom Pin Number "33" at 1844.13,1992.77 h20 r270; Bottom Pin Number "39" at 1785.56,1993.25 h20 r270; Bottom Pin Number "57" at 1607.91,1992.77 h20 r270; Bottom Pin Number "7" at 2100.94,2001.67 h20 r270; Bottom Pin Number "51" at 1671.26,1997.06 h20 r270; Bottom Pin Number "1" at 2164.28,2005.96 h20 r270; Bottom Pin Number "75" at 1430.75,1992.77 h20 r270; Bottom Pin Number "4" at 2130,1722.86 h20 r270; Bottom Pin Number "2" at 2150.15,1723.34 h20 r270; Bottom Pin Number "72" at 1460.27,1714.44 h20 r270; Bottom Pin Number "74" at 1440.12,1713.96 h20 r270; Bottom Pin Number "60" at 1578.91,1714.96 h20 r270; Bottom Pin Number "16" at 2013.51,1716.48 h20 r270; Bottom Pin Number "14" at 2032.24,1715.53 h20 r270; Bottom Pin Number "8" at 2091.1,1723.34 h20 r270; Bottom Pin Number "58" at 1598.07,1714.44 h20 r270; Bottom Pin Number "64" at 1539.06,1714.48 h20 r270; Bottom Pin Number "10" at 2072.08,1716.01 h20 r270; Bottom Pin Number "52" at 1657.12,1714.44 h20 r270; Bottom Pin Number "12" at 2052.4,1716.01 h20 r270; Bottom Pin Number "38" at 1794.92,1714.44 h20 r270; Bottom Pin Number "40" at 1775.23,1714.44 h20 r270; Bottom Pin Number "42" at 1755.55,1714.44 h20 r270; Bottom Pin Number "23" at 1942.56,1992.77 h20 r270; Bottom Pin Number "55" at 1627.6,1992.77 h20 r270; Bottom Assembly "1" at 2168.49,2089.17 h15; Bottom Assembly "2" at 2168.49,1649.17 h15; Bottom Assembly "74" at 1442.49,1646.67 h15; Bottom Assembly "75" at 1442.49,2076.67 h15; Bottom Assembly "22" at 1982.49,1656.06 h15; Bottom Assembly "32" at 1872.49,1653.56 h15; Bottom Assembly "23" at 1962.49,2086.06 h15; Bottom Assembly "33" at 1862.49,2083.56 h15
P9: Top Pin Number "1" at 938.44,2438.33 h15 r90; Top Pin Number "2" at 900.64,2476.72 h15 r90; Top Pin Number "3" at 976.24,2476.72 h15 r90; Top Pin Number "4" at 938.44,2516.09 h15 r90
P10: Top Pin Number "4" at 328.94,2516.09 h15 r90; Top Pin Number "3" at 366.74,2476.72 h15 r90; Top Pin Number "2" at 291.14,2476.72 h15 r90; Top Pin Number "1" at 328.94,2438.33 h15 r90
P11: Top Pin Number "2" at 77.8,329.53 h15 r90; Top Pin Number "4" at 77.8,429.53 h15 r90; Top Pin Number "5" at 177.8,529.53 h15 r90; Top Pin Number "19" at 167.8,1229.53 h15 r90; Top Pin Number "21" at 167.8,1329.53 h15 r90; Top Pin Number "23" at 167.8,1429.53 h15 r90; Top Pin Number "3" at 177.8,429.53 h15 r90; Top Pin Number "6" at 77.8,529.53 h15 r90; Top Pin Number "9" at 177.8,729.53 h15 r90; Top Pin Number "14" at 67.8,929.53 h15 r90; Top Pin Number "20" at 67.8,1229.53 h15 r90; Top Pin Number "25" at 167.8,1529.53 h15 r90; Top Pin Number "30" at 67.8,1729.53 h15 r90; Top Pin Number "34" at 67.8,1929.53 h15 r90; Top Pin Number "39" at 167.8,2229.53 h15 r90; Top Pin Number "24" at 67.8,1429.53 h15 r90; Top Pin Number "13" at 167.8,929.53 h15 r90; Top Pin Number "32" at 67.8,1829.53 h15 r90; Top Pin Number "22" at 67.8,1329.53 h15 r90; Top Pin Number "35" at 167.8,2029.53 h15 r90; Top Pin Number "26" at 67.8,1529.53 h15 r90; Top Pin Number "16" at 67.8,1029.53 h15 r90; Top Pin Number "18" at 67.8,1129.53 h15 r90; Top Pin Number "31" at 167.8,1829.53 h15 r90; Top Pin Number "1" at 177.8,329.53 h15 r90; Top Pin Number "17" at 167.8,1129.53 h15 r90; Top Pin Number "38" at 67.8,2129.53 h15 r90; Top Pin Number "7" at 177.8,629.53 h15 r90; Top Pin Number "27" at 167.8,1629.53 h15 r90; Top Pin Number "8" at 77.8,629.53 h15 r90; Top Pin Number "10" at 67.8,729.53 h15 r90; Top Pin Number "28" at 67.8,1629.53 h15 r90; Top Pin Number "15" at 167.8,1029.53 h15 r90; Top Pin Number "33" at 167.8,1929.53 h15 r90; Top Pin Number "12" at 67.8,829.53 h15 r90; Top Pin Number "40" at 67.8,2229.53 h15 r90; Top Pin Number "36" at 67.8,2029.53 h15 r90; Top Pin Number "11" at 167.8,829.53 h15 r90; Top Pin Number "37" at 167.8,2129.53 h15 r90; Top Pin Number "29" at 167.8,1729.53 h15 r90
P12: Top Overlay "9" at 3865,1800 h30; Top Overlay "10" at 4104,1711 h30 r90; Top Overlay "2" at 4093,2309 h30; Top Pin Number "5" at 3937.13,2037.61 h15 r270; Top Pin Number "7" at 3937.13,1937.61 h15 r270; Top Pin Number "9" at 3937.13,1837.61 h15 r270; Top Pin Number "1" at 3937.13,2237.61 h15 r270; Top Pin Number "6" at 4037.13,2037.61 h15 r270; Top Pin Number "3" at 3937.13,2137.61 h15 r270; Top Pin Number "2" at 4037.13,2237.61 h15 r270; Top Pin Number "4" at 4037.13,2137.61 h15 r270; Top Pin Number "8" at 4037.13,1937.61 h15 r270; Top Pin Number "10" at 4027.13,1837.61 h15 r270
P13: Bottom Pin Number "2" at 3499.41,1304.44 h25 r270; Bottom Pin Number "7" at 3499.41,1520.98 h25 r270; Bottom Pin Number "8" at 3499.41,1564.29 h25 r270; Bottom Pin Number "5" at 3499.41,1434.37 h25 r270; Bottom Pin Number "1" at 3499.41,1271.85 h25 r270; Bottom Pin Number "3" at 3499.41,1347.75 h25 r270; Bottom Pin Number "9" at 3499.41,1608.78 h25 r270; Bottom Pin Number "4" at 3499.41,1389.87 h25 r270; Bottom Pin Number "13" at 3536.97,1061.71 h25 r270; Bottom Pin Number "12" at 3914.93,1026.27 h25 r270; Bottom Pin Number "6" at 3499.41,1478.86 h25 r270; Bottom Pin Number "11" at 3914.93,1647.22 h25 r270; Bottom Pin Number "10" at 3536.97,1646.35 h25 r270
P14: Top Pin Number "3" at 2929.71,1985.33 h20 r270; Top Pin Number "2" at 2929.71,2085.33 h20 r270; Top Pin Number "1" at 2929.71,2185.33 h20 r270
P15: Top Pin Number "4" at 1067.75,429.13 h15 r90; Top Pin Number "6" at 802.01,257.87 h15 r90; Top Pin Number "7" at 802.01,145.66 h15 r90; Top Pin Number "8" at 802.01,76.77 h15 r90; Top Pin Number "5" at 802.01,346.45 h15 r90; Top Pin Number "3" at 1067.75,340.55 h15 r90; Top Pin Number "1" at 1067.75,110.23 h15 r90; Top Pin Number "2" at 1067.75,228.34 h15 r90
P16: Top Pin Number "A7" at 3139.77,2303.34 h0.01 r180; Top Pin Number "B7" at 3179.14,2303.34 h0.01 r180; Top Pin Number "A6" at 3159.46,2303.34 h0.01 r180; Top Pin Number "B6" at 3120.09,2303.34 h0.01 r180; Top Pin Number "H1" at 3263.39,2360.23 h0.01 r180; Top Pin Number "H2" at 3035.83,2360.23 h0.01 r180; Top Pin Number "A8" at 3100.4,2303.34 h0.01 r180; Top Pin Number "B8" at 3218.51,2303.34 h0.01 r180; Top Pin Number "A4" at 3246.07,2303.34 h0.01 r180; Top Pin Number "B4" at 3053.16,2303.34 h0.01 r180; Top Pin Number "B9" at 3246.07,2303.34 h0.01 r180; Top Pin Number "A9" at 3053.16,2303.34 h0.01 r180; Top Pin Number "A12" at 3022.64,2303.34 h0.01 r180; Top Pin Number "B12" at 3276.58,2303.34 h0.01 r180; Top Pin Number "B1" at 3022.64,2303.34 h0.01 r180; Top Pin Number "A1" at 3276.58,2303.34 h0.01 r180; Top Pin Number "E3" at 3319.69,2503.93 h0.01 r180; Top Pin Number "E1" at 3319.69,2339.36 h0.01 r180; Top Pin Number "E4" at 2979.53,2503.93 h0.01 r180; Top Pin Number "E2" at 2979.53,2339.36 h0.01 r180; Top Pin Number "A5" at 3198.83,2303.34 h0.01 r180; Top Pin Number "B5" at 3080.72,2303.34 h0.01 r180
P17: Top Overlay "4" at 2240,410 h30; Top Pin Number "2" at 2425.13,409.45 h10; Top Pin Number "3" at 2370.01,409.45 h10; Top Pin Number "6" at 2518.83,330.71 h10; Top Pin Number "4" at 2314.89,409.45 h10; Top Pin Number "5" at 2276.31,330.71 h10; Top Pin Number "1" at 2480.25,409.45 h10
P18: Top Pin Number "2" at 2109.49,620 h20; Top Pin Number "1" at 2070.11,620 h20
P19: Top Pin Number "2" at 2139.8,360 h20; Top Pin Number "1" at 2039.8,360 h20
Q1: Bottom Overlay "1" at 2466.42,903.78 h15 r270; Bottom Overlay "2" at 2464.43,1018.89 h15 r270; Bottom Overlay "3" at 2616.5,955.31 h15 r270
Q2: Bottom Overlay "3" at 2642.49,2364.7 h15; Bottom Overlay "2" at 2578.91,2212.63 h15; Bottom Overlay "1" at 2694.02,2214.62 h15
Q3: Bottom Overlay "3" at 2752.49,2363.7 h15; Bottom Overlay "2" at 2688.91,2211.63 h15; Bottom Overlay "1" at 2804.02,2213.62 h15
Q4: Top Overlay "3" at 2749.1,2410.31 h15 r90; Top Overlay "2" at 2901.17,2473.89 h15 r90; Top Overlay "1" at 2899.18,2358.78 h15 r90
Q5: Bottom Overlay "3" at 2508.11,2226.3 h15 r180; Bottom Overlay "2" at 2571.69,2378.37 h15 r180; Bottom Overlay "1" at 2456.58,2376.38 h15 r180
Q6: Bottom Overlay "3" at 3524.1,1904.69 h15 r90; Bottom Overlay "2" at 3676.17,1841.11 h15 r90; Bottom Overlay "1" at 3674.18,1956.22 h15 r90
Q7: Bottom Overlay "3" at 3717.49,2098.7 h15; Bottom Overlay "2" at 3653.91,1946.63 h15; Bottom Overlay "1" at 3769.02,1948.62 h15
Q8: Bottom Overlay "3" at 1697.49,1568.7 h15; Bottom Overlay "2" at 1633.91,1416.63 h15; Bottom Overlay "1" at 1749.02,1418.62 h15